# Allegro board LED_FIN.brd (continued)
## Routing (per net, layer and track width the routed paths; a pad name or vN(x,y) marks a point on that pad's centre or on a via; arc(x,y) is an arc through that point) (continued)
  BOTTOM w0.15: v1(119.95,161.1) 119.95,317.5 v1(121.25,318.8) v1(121.25,320.8) v1(121.25,322.8) v1(121.25,324.8) v1(121.25,326.8) v1(121.25,328.8) v1(121.25,330.8) v1(121.25,332.8) v1(121.25,334.8) v1(121.25,336.8) v1(121.25,338.8) v1(121.25,340.8) v1(121.25,342.8) v1(121.25,344.8) v1(121.25,346.8) v1(121.25,348.8) v1(121.25,350.8) v1(121.25,352.8) v1(121.25,354.8) v1(121.25,356.8) v1(121.25,358.8) v1(121.25,360.8) v1(121.25,362.8) v1(121.25,364.8) v1(121.25,366.8) v1(121.25,368.8) v1(121.25,370.8) v1(121.25,372.8) v1(121.25,374.8) v1(121.25,376.8) v1(121.25,378.8) v1(121.25,380.8) v1(121.25,382.8) v1(121.25,384.8) v1(121.25,386.8) v1(121.25,388.8) v1(121.25,390.8) v1(121.25,392.8)
COL_OUT_A79: length 259.4
  TOP w0.15: D1331.1 v1(119.25,380.8) ; D1691.1 v1(119.25,356.8) ; D1271.1 v1(119.25,384.8) ; D1301.1 v1(119.25,382.8) ; D1811.1 v1(119.25,348.8) ; D1361.1 v1(119.25,378.8) ; D2231.1 v1(119.25,320.8) ; D1241.1 v1(119.25,386.8) ; D2141.1 v1(119.25,326.8) ; D1511.1 v1(119.25,368.8) ; D1451.1 v1(119.25,372.8) ; D1631.1 v1(119.25,360.8) ; D2201.1 v1(119.25,322.8) ; D2261.1 v1(119.25,318.8) ; D1721.1 v1(119.25,354.8) ; D1661.1 v1(119.25,358.8) ; D2111.1 v1(119.25,328.8) ; D1421.1 v1(119.25,374.8) ; D1991.1 v1(119.25,336.8) ; D1751.1 v1(119.25,352.8) ; D2021.1 v1(119.25,334.8) ; D2081.1 v1(119.25,330.8) ; D1901.1 v1(119.25,342.8) ; D1151.1 v1(119.25,392.8) ; D1931.1 v1(119.25,340.8) ; D1841.1 v1(119.25,346.8) ; v1(117.95,161.1) R41.1 ; D1211.1 v1(119.25,388.8) ; D2171.1 v1(119.25,324.8) ; D1541.1 v1(119.25,366.8) ; D1961.1 v1(119.25,338.8) ; D1781.1 v1(119.25,350.8) ; D1391.1 v1(119.25,376.8) ; D1601.1 v1(119.25,362.8) ; D2051.1 v1(119.25,332.8) ; D1871.1 v1(119.25,344.8) ; D1481.1 v1(119.25,370.8) ; D1571.1 v1(119.25,364.8) ; D1181.1 v1(119.25,390.8)
  BOTTOM w0.15: v1(119.25,392.8) v1(119.25,390.8) v1(119.25,388.8) v1(119.25,386.8) v1(119.25,384.8) v1(119.25,382.8) v1(119.25,380.8) v1(119.25,378.8) v1(119.25,376.8) v1(119.25,374.8) v1(119.25,372.8) v1(119.25,370.8) v1(119.25,368.8) v1(119.25,366.8) v1(119.25,364.8) v1(119.25,362.8) v1(119.25,360.8) v1(119.25,358.8) v1(119.25,356.8) v1(119.25,354.8) v1(119.25,352.8) v1(119.25,350.8) v1(119.25,348.8) v1(119.25,346.8) v1(119.25,344.8) v1(119.25,342.8) v1(119.25,340.8) v1(119.25,338.8) v1(119.25,336.8) v1(119.25,334.8) v1(119.25,332.8) v1(119.25,330.8) v1(119.25,328.8) v1(119.25,326.8) v1(119.25,324.8) v1(119.25,322.8) v1(119.25,320.8) v1(119.25,318.8) 117.95,317.5 v1(117.95,161.1)
COL_OUT_A80: length 259.4
  TOP w0.15: D1840.1 v1(117.25,346.8) ; D1270.1 v1(117.25,384.8) ; D1150.1 v1(117.25,392.8) ; D1750.1 v1(117.25,352.8) ; D1870.1 v1(117.25,344.8) ; D2260.1 v1(117.25,318.8) ; D1630.1 v1(117.25,360.8) ; D2200.1 v1(117.25,322.8) ; D1810.1 v1(117.25,348.8) ; D1300.1 v1(117.25,382.8) ; D2230.1 v1(117.25,320.8) ; D1360.1 v1(117.25,378.8) ; D1390.1 v1(117.25,376.8) ; D1420.1 v1(117.25,374.8) ; D2170.1 v1(117.25,324.8) ; D1720.1 v1(117.25,354.8) ; D1330.1 v1(117.25,380.8) ; D1930.1 v1(117.25,340.8) ; D2110.1 v1(117.25,328.8) ; D1690.1 v1(117.25,356.8) ; D1570.1 v1(117.25,364.8) ; D1210.1 v1(117.25,388.8) ; D1450.1 v1(117.25,372.8) ; D2140.1 v1(117.25,326.8) ; D2020.1 v1(117.25,334.8) ; D1990.1 v1(117.25,336.8) ; D1240.1 v1(117.25,386.8) ; D1180.1 v1(117.25,390.8) ; D1960.1 v1(117.25,338.8) ; D1660.1 v1(117.25,358.8) ; D1540.1 v1(117.25,366.8) ; D1510.1 v1(117.25,368.8) ; D1480.1 v1(117.25,370.8) ; D2050.1 v1(117.25,332.8) ; D1900.1 v1(117.25,342.8) ; D2080.1 v1(117.25,330.8) ; v1(115.95,161.1) R40.1 ; D1780.1 v1(117.25,350.8) ; D1600.1 v1(117.25,362.8)
  BOTTOM w0.15: v1(117.25,392.8) v1(117.25,390.8) v1(117.25,388.8) v1(117.25,386.8) v1(117.25,384.8) v1(117.25,382.8) v1(117.25,380.8) v1(117.25,378.8) v1(117.25,376.8) v1(117.25,374.8) v1(117.25,372.8) v1(117.25,370.8) v1(117.25,368.8) v1(117.25,366.8) v1(117.25,364.8) v1(117.25,362.8) v1(117.25,360.8) v1(117.25,358.8) v1(117.25,356.8) v1(117.25,354.8) v1(117.25,352.8) v1(117.25,350.8) v1(117.25,348.8) v1(117.25,346.8) v1(117.25,344.8) v1(117.25,342.8) v1(117.25,340.8) v1(117.25,338.8) v1(117.25,336.8) v1(117.25,334.8) v1(117.25,332.8) v1(117.25,330.8) v1(117.25,328.8) v1(117.25,326.8) v1(117.25,324.8) v1(117.25,322.8) v1(117.25,320.8) v1(117.25,318.8) 115.95,317.5 v1(115.95,161.1)
COL_OUT_A81: length 259.4
  TOP w0.15: D1539.1 v1(115.25,366.8) ; D1809.1 v1(115.25,348.8) ; D2199.1 v1(115.25,322.8) ; D1419.1 v1(115.25,374.8) ; D1449.1 v1(115.25,372.8) ; D1389.1 v1(115.25,376.8) ; D1689.1 v1(115.25,356.8) ; D1359.1 v1(115.25,378.8) ; D1959.1 v1(115.25,338.8) ; D1719.1 v1(115.25,354.8) ; D1299.1 v1(115.25,382.8) ; D1749.1 v1(115.25,352.8) ; D1659.1 v1(115.25,358.8) ; D2229.1 v1(115.25,320.8) ; D1779.1 v1(115.25,350.8) ; D1479.1 v1(115.25,370.8) ; D1869.1 v1(115.25,344.8) ; D1149.1 v1(115.25,392.8) ; D1989.1 v1(115.25,336.8) ; D1509.1 v1(115.25,368.8) ; D2109.1 v1(115.25,328.8) ; D1629.1 v1(115.25,360.8) ; D1599.1 v1(115.25,362.8) ; D2139.1 v1(115.25,326.8) ; D2169.1 v1(115.25,324.8) ; D1839.1 v1(115.25,346.8) ; D2019.1 v1(115.25,334.8) ; D1569.1 v1(115.25,364.8) ; D1209.1 v1(115.25,388.8) ; D2049.1 v1(115.25,332.8) ; v1(113.95,161.1) R39.1 ; D1929.1 v1(115.25,340.8) ; D2079.1 v1(115.25,330.8) ; D1269.1 v1(115.25,384.8) ; D1239.1 v1(115.25,386.8) ; D2259.1 v1(115.25,318.8) ; D1899.1 v1(115.25,342.8) ; D1179.1 v1(115.25,390.8) ; D1329.1 v1(115.25,380.8)
  BOTTOM w0.15: v1(113.95,161.1) 113.95,317.5 v1(115.25,318.8) v1(115.25,320.8) v1(115.25,322.8) v1(115.25,324.8) v1(115.25,326.8) v1(115.25,328.8) v1(115.25,330.8) v1(115.25,332.8) v1(115.25,334.8) v1(115.25,336.8) v1(115.25,338.8) v1(115.25,340.8) v1(115.25,342.8) v1(115.25,344.8) v1(115.25,346.8) v1(115.25,348.8) v1(115.25,350.8) v1(115.25,352.8) v1(115.25,354.8) v1(115.25,356.8) v1(115.25,358.8) v1(115.25,360.8) v1(115.25,362.8) v1(115.25,364.8) v1(115.25,366.8) v1(115.25,368.8) v1(115.25,370.8) v1(115.25,372.8) v1(115.25,374.8) v1(115.25,376.8) v1(115.25,378.8) v1(115.25,380.8) v1(115.25,382.8) v1(115.25,384.8) v1(115.25,386.8) v1(115.25,388.8) v1(115.25,390.8) v1(115.25,392.8)
COL_OUT_A82: length 259.4
  TOP w0.15: D1268.1 v1(113.25,384.8) ; D2048.1 v1(113.25,332.8) ; D1688.1 v1(113.25,356.8) ; D2078.1 v1(113.25,330.8) ; D2168.1 v1(113.25,324.8) ; D1568.1 v1(113.25,364.8) ; D2228.1 v1(113.25,320.8) ; v1(111.95,161.1) R38.1 ; D1988.1 v1(113.25,336.8) ; D1508.1 v1(113.25,368.8) ; D1958.1 v1(113.25,338.8) ; D2198.1 v1(113.25,322.8) ; D1778.1 v1(113.25,350.8) ; D1208.1 v1(113.25,388.8) ; D1748.1 v1(113.25,352.8) ; D1178.1 v1(113.25,390.8) ; D1628.1 v1(113.25,360.8) ; D2018.1 v1(113.25,334.8) ; D1538.1 v1(113.25,366.8) ; D1478.1 v1(113.25,370.8) ; D1598.1 v1(113.25,362.8) ; D1328.1 v1(113.25,380.8) ; D1298.1 v1(113.25,382.8) ; D2138.1 v1(113.25,326.8) ; D1148.1 v1(113.25,392.8) ; D1838.1 v1(113.25,346.8) ; D2108.1 v1(113.25,328.8) ; D1238.1 v1(113.25,386.8) ; D1358.1 v1(113.25,378.8) ; D1388.1 v1(113.25,376.8) ; D1448.1 v1(113.25,372.8) ; D1718.1 v1(113.25,354.8) ; D1928.1 v1(113.25,340.8) ; D1868.1 v1(113.25,344.8) ; D1808.1 v1(113.25,348.8) ; D2258.1 v1(113.25,318.8) ; D1658.1 v1(113.25,358.8) ; D1418.1 v1(113.25,374.8) ; D1898.1 v1(113.25,342.8)
  BOTTOM w0.15: v1(113.25,392.8) v1(113.25,390.8) v1(113.25,388.8) v1(113.25,386.8) v1(113.25,384.8) v1(113.25,382.8) v1(113.25,380.8) v1(113.25,378.8) v1(113.25,376.8) v1(113.25,374.8) v1(113.25,372.8) v1(113.25,370.8) v1(113.25,368.8) v1(113.25,366.8) v1(113.25,364.8) v1(113.25,362.8) v1(113.25,360.8) v1(113.25,358.8) v1(113.25,356.8) v1(113.25,354.8) v1(113.25,352.8) v1(113.25,350.8) v1(113.25,348.8) v1(113.25,346.8) v1(113.25,344.8) v1(113.25,342.8) v1(113.25,340.8) v1(113.25,338.8) v1(113.25,336.8) v1(113.25,334.8) v1(113.25,332.8) v1(113.25,330.8) v1(113.25,328.8) v1(113.25,326.8) v1(113.25,324.8) v1(113.25,322.8) v1(113.25,320.8) v1(113.25,318.8) 111.95,317.5 v1(111.95,161.1)
COL_OUT_A83: length 259.4
  TOP w0.15: D1357.1 v1(111.25,378.8) ; v1(109.95,161.1) R37.1 ; D1477.1 v1(111.25,370.8) ; D1237.1 v1(111.25,386.8) ; D1417.1 v1(111.25,374.8) ; D2167.1 v1(111.25,324.8) ; D1717.1 v1(111.25,354.8) ; D1207.1 v1(111.25,388.8) ; D1987.1 v1(111.25,336.8) ; D1687.1 v1(111.25,356.8) ; D1597.1 v1(111.25,362.8) ; D1387.1 v1(111.25,376.8) ; D1837.1 v1(111.25,346.8) ; D1957.1 v1(111.25,338.8) ; D1537.1 v1(111.25,366.8) ; D2017.1 v1(111.25,334.8) ; D2137.1 v1(111.25,326.8) ; D2107.1 v1(111.25,328.8) ; D1327.1 v1(111.25,380.8) ; D1567.1 v1(111.25,364.8) ; D1507.1 v1(111.25,368.8) ; D2257.1 v1(111.25,318.8) ; D2227.1 v1(111.25,320.8) ; D1867.1 v1(111.25,344.8) ; D1897.1 v1(111.25,342.8) ; D1747.1 v1(111.25,352.8) ; D1777.1 v1(111.25,350.8) ; D1807.1 v1(111.25,348.8) ; D2077.1 v1(111.25,330.8) ; D1657.1 v1(111.25,358.8) ; D2047.1 v1(111.25,332.8) ; D1147.1 v1(111.25,392.8) ; D2197.1 v1(111.25,322.8) ; D1927.1 v1(111.25,340.8) ; D1297.1 v1(111.25,382.8) ; D1447.1 v1(111.25,372.8) ; D1267.1 v1(111.25,384.8) ; D1177.1 v1(111.25,390.8) ; D1627.1 v1(111.25,360.8)
  BOTTOM w0.15: v1(111.25,392.8) v1(111.25,390.8) v1(111.25,388.8) v1(111.25,386.8) v1(111.25,384.8) v1(111.25,382.8) v1(111.25,380.8) v1(111.25,378.8) v1(111.25,376.8) v1(111.25,374.8) v1(111.25,372.8) v1(111.25,370.8) v1(111.25,368.8) v1(111.25,366.8) v1(111.25,364.8) v1(111.25,362.8) v1(111.25,360.8) v1(111.25,358.8) v1(111.25,356.8) v1(111.25,354.8) v1(111.25,352.8) v1(111.25,350.8) v1(111.25,348.8) v1(111.25,346.8) v1(111.25,344.8) v1(111.25,342.8) v1(111.25,340.8) v1(111.25,338.8) v1(111.25,336.8) v1(111.25,334.8) v1(111.25,332.8) v1(111.25,330.8) v1(111.25,328.8) v1(111.25,326.8) v1(111.25,324.8) v1(111.25,322.8) v1(111.25,320.8) v1(111.25,318.8) 109.95,317.5 v1(109.95,161.1)
COL_OUT_A84: length 259.4
  TOP w0.15: D1596.1 v1(109.25,362.8) ; D1206.1 v1(109.25,388.8) ; D1506.1 v1(109.25,368.8) ; D2046.1 v1(109.25,332.8) ; D1266.1 v1(109.25,384.8) ; D2136.1 v1(109.25,326.8) ; D2196.1 v1(109.25,322.8) ; D1626.1 v1(109.25,360.8) ; D1986.1 v1(109.25,336.8) ; v1(107.95,161.1) R36.1 ; D1236.1 v1(109.25,386.8) ; D1686.1 v1(109.25,356.8) ; D1386.1 v1(109.25,376.8) ; D1746.1 v1(109.25,352.8) ; D1476.1 v1(109.25,370.8) ; D1296.1 v1(109.25,382.8) ; D1656.1 v1(109.25,358.8) ; D1416.1 v1(109.25,374.8) ; D2256.1 v1(109.25,318.8) ; D1896.1 v1(109.25,342.8) ; D1956.1 v1(109.25,338.8) ; D1146.1 v1(109.25,392.8) ; D1836.1 v1(109.25,346.8) ; D1806.1 v1(109.25,348.8) ; D2226.1 v1(109.25,320.8) ; D1176.1 v1(109.25,390.8) ; D1446.1 v1(109.25,372.8) ; D2106.1 v1(109.25,328.8) ; D1716.1 v1(109.25,354.8) ; D1356.1 v1(109.25,378.8) ; D1776.1 v1(109.25,350.8) ; D1326.1 v1(109.25,380.8) ; D1926.1 v1(109.25,340.8) ; D1566.1 v1(109.25,364.8) ; D2166.1 v1(109.25,324.8) ; D2076.1 v1(109.25,330.8) ; D1536.1 v1(109.25,366.8) ; D2016.1 v1(109.25,334.8) ; D1866.1 v1(109.25,344.8)
  BOTTOM w0.15: v1(107.95,161.1) 107.95,317.5 v1(109.25,318.8) v1(109.25,320.8) v1(109.25,322.8) v1(109.25,324.8) v1(109.25,326.8) v1(109.25,328.8) v1(109.25,330.8) v1(109.25,332.8) v1(109.25,334.8) v1(109.25,336.8) v1(109.25,338.8) v1(109.25,340.8) v1(109.25,342.8) v1(109.25,344.8) v1(109.25,346.8) v1(109.25,348.8) v1(109.25,350.8) v1(109.25,352.8) v1(109.25,354.8) v1(109.25,356.8) v1(109.25,358.8) v1(109.25,360.8) v1(109.25,362.8) v1(109.25,364.8) v1(109.25,366.8) v1(109.25,368.8) v1(109.25,370.8) v1(109.25,372.8) v1(109.25,374.8) v1(109.25,376.8) v1(109.25,378.8) v1(109.25,380.8) v1(109.25,382.8) v1(109.25,384.8) v1(109.25,386.8) v1(109.25,388.8) v1(109.25,390.8) v1(109.25,392.8)
COL_OUT_A85: length 259.4
  TOP w0.15: D2135.1 v1(107.25,326.8) ; D1865.1 v1(107.25,344.8) ; D1475.1 v1(107.25,370.8) ; D1895.1 v1(107.25,342.8) ; D1505.1 v1(107.25,368.8) ; D2045.1 v1(107.25,332.8) ; D1835.1 v1(107.25,346.8) ; v1(105.95,161.1) R35.1 ; D1625.1 v1(107.25,360.8) ; D2165.1 v1(107.25,324.8) ; D1655.1 v1(107.25,358.8) ; D1985.1 v1(107.25,336.8) ; D1565.1 v1(107.25,364.8) ; D2195.1 v1(107.25,322.8) ; D1325.1 v1(107.25,380.8) ; D1805.1 v1(107.25,348.8) ; D1715.1 v1(107.25,354.8) ; D1445.1 v1(107.25,372.8) ; D2225.1 v1(107.25,320.8) ; D1145.1 v1(107.25,392.8) ; D1355.1 v1(107.25,378.8) ; D1415.1 v1(107.25,374.8) ; D1535.1 v1(107.25,366.8) ; D1385.1 v1(107.25,376.8) ; D1295.1 v1(107.25,382.8) ; D1955.1 v1(107.25,338.8) ; D1265.1 v1(107.25,384.8) ; D1685.1 v1(107.25,356.8) ; D2255.1 v1(107.25,318.8) ; D2075.1 v1(107.25,330.8) ; D1595.1 v1(107.25,362.8) ; D1175.1 v1(107.25,390.8) ; D1775.1 v1(107.25,350.8) ; D1205.1 v1(107.25,388.8) ; D2105.1 v1(107.25,328.8) ; D1235.1 v1(107.25,386.8) ; D2015.1 v1(107.25,334.8) ; D1745.1 v1(107.25,352.8) ; D1925.1 v1(107.25,340.8)
  BOTTOM w0.15: v1(105.95,161.1) 105.95,317.5 v1(107.25,318.8) v1(107.25,320.8) v1(107.25,322.8) v1(107.25,324.8) v1(107.25,326.8) v1(107.25,328.8) v1(107.25,330.8) v1(107.25,332.8) v1(107.25,334.8) v1(107.25,336.8) v1(107.25,338.8) v1(107.25,340.8) v1(107.25,342.8) v1(107.25,344.8) v1(107.25,346.8) v1(107.25,348.8) v1(107.25,350.8) v1(107.25,352.8) v1(107.25,354.8) v1(107.25,356.8) v1(107.25,358.8) v1(107.25,360.8) v1(107.25,362.8) v1(107.25,364.8) v1(107.25,366.8) v1(107.25,368.8) v1(107.25,370.8) v1(107.25,372.8) v1(107.25,374.8) v1(107.25,376.8) v1(107.25,378.8) v1(107.25,380.8) v1(107.25,382.8) v1(107.25,384.8) v1(107.25,386.8) v1(107.25,388.8) v1(107.25,390.8) v1(107.25,392.8)
COL_OUT_A86: length 259.4
  TOP w0.15: D1594.1 v1(105.25,362.8) ; D1744.1 v1(105.25,352.8) ; D1924.1 v1(105.25,340.8) ; D2014.1 v1(105.25,334.8) ; v1(103.95,161.1) R34.1 ; D1414.1 v1(105.25,374.8) ; D2104.1 v1(105.25,328.8) ; D1174.1 v1(105.25,390.8) ; D1384.1 v1(105.25,376.8) ; D1774.1 v1(105.25,350.8) ; D2194.1 v1(105.25,322.8) ; D1354.1 v1(105.25,378.8) ; D1294.1 v1(105.25,382.8) ; D2164.1 v1(105.25,324.8) ; D1984.1 v1(105.25,336.8) ; D1864.1 v1(105.25,344.8) ; D2074.1 v1(105.25,330.8) ; D1654.1 v1(105.25,358.8) ; D1144.1 v1(105.25,392.8) ; D1504.1 v1(105.25,368.8) ; D1624.1 v1(105.25,360.8) ; D1804.1 v1(105.25,348.8) ; D2254.1 v1(105.25,318.8) ; D1264.1 v1(105.25,384.8) ; D2044.1 v1(105.25,332.8) ; D1684.1 v1(105.25,356.8) ; D1894.1 v1(105.25,342.8) ; D1234.1 v1(105.25,386.8) ; D2134.1 v1(105.25,326.8) ; D1564.1 v1(105.25,364.8) ; D1834.1 v1(105.25,346.8) ; D1534.1 v1(105.25,366.8) ; D1444.1 v1(105.25,372.8) ; D1324.1 v1(105.25,380.8) ; D1204.1 v1(105.25,388.8) ; D1474.1 v1(105.25,370.8) ; D2224.1 v1(105.25,320.8) ; D1714.1 v1(105.25,354.8) ; D1954.1 v1(105.25,338.8)
  BOTTOM w0.15: v1(103.95,161.1) 103.95,317.5 v1(105.25,318.8) v1(105.25,320.8) v1(105.25,322.8) v1(105.25,324.8) v1(105.25,326.8) v1(105.25,328.8) v1(105.25,330.8) v1(105.25,332.8) v1(105.25,334.8) v1(105.25,336.8) v1(105.25,338.8) v1(105.25,340.8) v1(105.25,342.8) v1(105.25,344.8) v1(105.25,346.8) v1(105.25,348.8) v1(105.25,350.8) v1(105.25,352.8) v1(105.25,354.8) v1(105.25,356.8) v1(105.25,358.8) v1(105.25,360.8) v1(105.25,362.8) v1(105.25,364.8) v1(105.25,366.8) v1(105.25,368.8) v1(105.25,370.8) v1(105.25,372.8) v1(105.25,374.8) v1(105.25,376.8) v1(105.25,378.8) v1(105.25,380.8) v1(105.25,382.8) v1(105.25,384.8) v1(105.25,386.8) v1(105.25,388.8) v1(105.25,390.8) v1(105.25,392.8)
COL_OUT_A87: length 259.4
  TOP w0.15: D1953.1 v1(103.25,338.8) ; D1263.1 v1(103.25,384.8) ; D1443.1 v1(103.25,372.8) ; D1203.1 v1(103.25,388.8) ; D1473.1 v1(103.25,370.8) ; D2013.1 v1(103.25,334.8) ; D1773.1 v1(103.25,350.8) ; D2103.1 v1(103.25,328.8) ; D2073.1 v1(103.25,330.8) ; D1533.1 v1(103.25,366.8) ; D1563.1 v1(103.25,364.8) ; D2253.1 v1(103.25,318.8) ; D1233.1 v1(103.25,386.8) ; D1923.1 v1(103.25,340.8) ; D1713.1 v1(103.25,354.8) ; D2043.1 v1(103.25,332.8) ; D1503.1 v1(103.25,368.8) ; D1623.1 v1(103.25,360.8) ; D1143.1 v1(103.25,392.8) ; D1353.1 v1(103.25,378.8) ; D2163.1 v1(103.25,324.8) ; D1323.1 v1(103.25,380.8) ; D1743.1 v1(103.25,352.8) ; D1293.1 v1(103.25,382.8) ; D2223.1 v1(103.25,320.8) ; D1983.1 v1(103.25,336.8) ; D1413.1 v1(103.25,374.8) ; D1383.1 v1(103.25,376.8) ; D1803.1 v1(103.25,348.8) ; D1683.1 v1(103.25,356.8) ; D1653.1 v1(103.25,358.8) ; D2193.1 v1(103.25,322.8) ; D1893.1 v1(103.25,342.8) ; D1863.1 v1(103.25,344.8) ; v1(101.95,161.1) R33.1 ; D1593.1 v1(103.25,362.8) ; D1173.1 v1(103.25,390.8) ; D1833.1 v1(103.25,346.8) ; D2133.1 v1(103.25,326.8)
  BOTTOM w0.15: v1(101.95,161.1) 101.95,317.5 v1(103.25,318.8) v1(103.25,320.8) v1(103.25,322.8) v1(103.25,324.8) v1(103.25,326.8) v1(103.25,328.8) v1(103.25,330.8) v1(103.25,332.8) v1(103.25,334.8) v1(103.25,336.8) v1(103.25,338.8) v1(103.25,340.8) v1(103.25,342.8) v1(103.25,344.8) v1(103.25,346.8) v1(103.25,348.8) v1(103.25,350.8) v1(103.25,352.8) v1(103.25,354.8) v1(103.25,356.8) v1(103.25,358.8) v1(103.25,360.8) v1(103.25,362.8) v1(103.25,364.8) v1(103.25,366.8) v1(103.25,368.8) v1(103.25,370.8) v1(103.25,372.8) v1(103.25,374.8) v1(103.25,376.8) v1(103.25,378.8) v1(103.25,380.8) v1(103.25,382.8) v1(103.25,384.8) v1(103.25,386.8) v1(103.25,388.8) v1(103.25,390.8) v1(103.25,392.8)
COL_OUT_A88: length 259.4
  TOP w0.15: D1262.1 v1(101.25,384.8) ; D1352.1 v1(101.25,378.8) ; D1682.1 v1(101.25,356.8) ; D1382.1 v1(101.25,376.8) ; D1802.1 v1(101.25,348.8) ; D1322.1 v1(101.25,380.8) ; D1712.1 v1(101.25,354.8) ; D1742.1 v1(101.25,352.8) ; D1652.1 v1(101.25,358.8) ; D1832.1 v1(101.25,346.8) ; D1142.1 v1(101.25,392.8) ; D2222.1 v1(101.25,320.8) ; D1412.1 v1(101.25,374.8) ; D2192.1 v1(101.25,322.8) ; D1622.1 v1(101.25,360.8) ; D1562.1 v1(101.25,364.8) ; D2252.1 v1(101.25,318.8) ; D2042.1 v1(101.25,332.8) ; D1532.1 v1(101.25,366.8) ; D1442.1 v1(101.25,372.8) ; D1502.1 v1(101.25,368.8) ; D2072.1 v1(101.25,330.8) ; v1(99.95,161.1) R32.1 ; D1922.1 v1(101.25,340.8) ; D1862.1 v1(101.25,344.8) ; D1592.1 v1(101.25,362.8) ; D2162.1 v1(101.25,324.8) ; D1292.1 v1(101.25,382.8) ; D2012.1 v1(101.25,334.8) ; D1952.1 v1(101.25,338.8) ; D1172.1 v1(101.25,390.8) ; D2132.1 v1(101.25,326.8) ; D1982.1 v1(101.25,336.8) ; D1472.1 v1(101.25,370.8) ; D1202.1 v1(101.25,388.8) ; D1232.1 v1(101.25,386.8) ; D1892.1 v1(101.25,342.8) ; D2102.1 v1(101.25,328.8) ; D1772.1 v1(101.25,350.8)
  BOTTOM w0.15: v1(99.95,161.1) 99.95,317.5 v1(101.25,318.8) v1(101.25,320.8) v1(101.25,322.8) v1(101.25,324.8) v1(101.25,326.8) v1(101.25,328.8) v1(101.25,330.8) v1(101.25,332.8) v1(101.25,334.8) v1(101.25,336.8) v1(101.25,338.8) v1(101.25,340.8) v1(101.25,342.8) v1(101.25,344.8) v1(101.25,346.8) v1(101.25,348.8) v1(101.25,350.8) v1(101.25,352.8) v1(101.25,354.8) v1(101.25,356.8) v1(101.25,358.8) v1(101.25,360.8) v1(101.25,362.8) v1(101.25,364.8) v1(101.25,366.8) v1(101.25,368.8) v1(101.25,370.8) v1(101.25,372.8) v1(101.25,374.8) v1(101.25,376.8) v1(101.25,378.8) v1(101.25,380.8) v1(101.25,382.8) v1(101.25,384.8) v1(101.25,386.8) v1(101.25,388.8) v1(101.25,390.8) v1(101.25,392.8)
COL_OUT_A89: length 259.4
  TOP w0.15: D1411.1 v1(99.25,374.8) ; D1621.1 v1(99.25,360.8) ; D1861.1 v1(99.25,344.8) ; D1231.1 v1(99.25,386.8) ; D1351.1 v1(99.25,378.8) ; D1801.1 v1(99.25,348.8) ; D1741.1 v1(99.25,352.8) ; D2251.1 v1(99.25,318.8) ; D2041.1 v1(99.25,332.8) ; D1921.1 v1(99.25,340.8) ; D1471.1 v1(99.25,370.8) ; D1291.1 v1(99.25,382.8) ; D1951.1 v1(99.25,338.8) ; D1831.1 v1(99.25,346.8) ; D1981.1 v1(99.25,336.8) ; D1561.1 v1(99.25,364.8) ; D2011.1 v1(99.25,334.8) ; D1321.1 v1(99.25,380.8) ; D1171.1 v1(99.25,390.8) ; D1501.1 v1(99.25,368.8) ; D1681.1 v1(99.25,356.8) ; D1651.1 v1(99.25,358.8) ; v1(97.95,161.1) R31.1 ; D1891.1 v1(99.25,342.8) ; D1381.1 v1(99.25,376.8) ; D2071.1 v1(99.25,330.8) ; D1201.1 v1(99.25,388.8) ; D2101.1 v1(99.25,328.8) ; D1771.1 v1(99.25,350.8) ; D1441.1 v1(99.25,372.8) ; D1141.1 v1(99.25,392.8) ; D2221.1 v1(99.25,320.8) ; D2161.1 v1(99.25,324.8) ; D1711.1 v1(99.25,354.8) ; D1531.1 v1(99.25,366.8) ; D2131.1 v1(99.25,326.8) ; D1591.1 v1(99.25,362.8) ; D1261.1 v1(99.25,384.8) ; D2191.1 v1(99.25,322.8)
  BOTTOM w0.15: v1(99.25,392.8) v1(99.25,390.8) v1(99.25,388.8) v1(99.25,386.8) v1(99.25,384.8) v1(99.25,382.8) v1(99.25,380.8) v1(99.25,378.8) v1(99.25,376.8) v1(99.25,374.8) v1(99.25,372.8) v1(99.25,370.8) v1(99.25,368.8) v1(99.25,366.8) v1(99.25,364.8) v1(99.25,362.8) v1(99.25,360.8) v1(99.25,358.8) v1(99.25,356.8) v1(99.25,354.8) v1(99.25,352.8) v1(99.25,350.8) v1(99.25,348.8) v1(99.25,346.8) v1(99.25,344.8) v1(99.25,342.8) v1(99.25,340.8) v1(99.25,338.8) v1(99.25,336.8) v1(99.25,334.8) v1(99.25,332.8) v1(99.25,330.8) v1(99.25,328.8) v1(99.25,326.8) v1(99.25,324.8) v1(99.25,322.8) v1(99.25,320.8) v1(99.25,318.8) 97.95,317.5 v1(97.95,161.1)
COL_OUT_A90: length 259.4
  TOP w0.15: D870.1 v1(97.25,336.8) ; D210.1 v1(97.25,380.8) ; D570.1 v1(97.25,356.8) ; D1050.1 v1(97.25,324.8) ; v1(95.95,161.1) R30.1 ; D120.1 v1(97.25,386.8) ; D90.1 v1(97.25,388.8) ; D480.1 v1(97.25,362.8) ; D390.1 v1(97.25,368.8) ; D180.1 v1(97.25,382.8) ; D300.1 v1(97.25,374.8) ; D510.1 v1(97.25,360.8) ; D750.1 v1(97.25,344.8) ; D1110.1 v1(97.25,320.8) ; D330.1 v1(97.25,372.8) ; D780.1 v1(97.25,342.8) ; D420.1 v1(97.25,366.8) ; D720.1 v1(97.25,346.8) ; D540.1 v1(97.25,358.8) ; D1020.1 v1(97.25,326.8) ; D630.1 v1(97.25,352.8) ; D1140.1 v1(97.25,318.8) ; D810.1 v1(97.25,340.8) ; D240.1 v1(97.25,378.8) ; D990.1 v1(97.25,328.8) ; D930.1 v1(97.25,332.8) ; D150.1 v1(97.25,384.8) ; D600.1 v1(97.25,354.8) ; D840.1 v1(97.25,338.8) ; D1080.1 v1(97.25,322.8) ; D30.1 v1(97.25,392.8) ; D900.1 v1(97.25,334.8) ; D960.1 v1(97.25,330.8) ; D360.1 v1(97.25,370.8) ; D60.1 v1(97.25,390.8) ; D690.1 v1(97.25,348.8) ; D660.1 v1(97.25,350.8) ; D270.1 v1(97.25,376.8) ; D450.1 v1(97.25,364.8)
  BOTTOM w0.15: v1(95.95,161.1) 95.95,317.5 v1(97.25,318.8) v1(97.25,320.8) v1(97.25,322.8) v1(97.25,324.8) v1(97.25,326.8) v1(97.25,328.8) v1(97.25,330.8) v1(97.25,332.8) v1(97.25,334.8) v1(97.25,336.8) v1(97.25,338.8) v1(97.25,340.8) v1(97.25,342.8) v1(97.25,344.8) v1(97.25,346.8) v1(97.25,348.8) v1(97.25,350.8) v1(97.25,352.8) v1(97.25,354.8) v1(97.25,356.8) v1(97.25,358.8) v1(97.25,360.8) v1(97.25,362.8) v1(97.25,364.8) v1(97.25,366.8) v1(97.25,368.8) v1(97.25,370.8) v1(97.25,372.8) v1(97.25,374.8) v1(97.25,376.8) v1(97.25,378.8) v1(97.25,380.8) v1(97.25,382.8) v1(97.25,384.8) v1(97.25,386.8) v1(97.25,388.8) v1(97.25,390.8) v1(97.25,392.8)
COL_OUT_A91: length 259.4
  TOP w0.15: D1139.1 v1(95.25,318.8) ; D959.1 v1(95.25,330.8) ; D479.1 v1(95.25,362.8) ; D29.1 v1(95.25,392.8) ; D1109.1 v1(95.25,320.8) ; D59.1 v1(95.25,390.8) ; D779.1 v1(95.25,342.8) ; D599.1 v1(95.25,354.8) ; D1079.1 v1(95.25,322.8) ; D149.1 v1(95.25,384.8) ; D509.1 v1(95.25,360.8) ; v1(93.95,161.1) R29.1 ; D719.1 v1(95.25,346.8) ; D749.1 v1(95.25,344.8) ; D239.1 v1(95.25,378.8) ; D1019.1 v1(95.25,326.8) ; D269.1 v1(95.25,376.8) ; D359.1 v1(95.25,370.8) ; D689.1 v1(95.25,348.8) ; D839.1 v1(95.25,338.8) ; D629.1 v1(95.25,352.8) ; D989.1 v1(95.25,328.8) ; D809.1 v1(95.25,340.8) ; D299.1 v1(95.25,374.8) ; D329.1 v1(95.25,372.8) ; D209.1 v1(95.25,380.8) ; D869.1 v1(95.25,336.8) ; D389.1 v1(95.25,368.8) ; D449.1 v1(95.25,364.8) ; D1049.1 v1(95.25,324.8) ; D539.1 v1(95.25,358.8) ; D89.1 v1(95.25,388.8) ; D659.1 v1(95.25,350.8) ; D419.1 v1(95.25,366.8) ; D899.1 v1(95.25,334.8) ; D929.1 v1(95.25,332.8) ; D179.1 v1(95.25,382.8) ; D119.1 v1(95.25,386.8) ; D569.1 v1(95.25,356.8)
  BOTTOM w0.15: v1(95.25,392.8) v1(95.25,390.8) v1(95.25,388.8) v1(95.25,386.8) v1(95.25,384.8) v1(95.25,382.8) v1(95.25,380.8) v1(95.25,378.8) v1(95.25,376.8) v1(95.25,374.8) v1(95.25,372.8) v1(95.25,370.8) v1(95.25,368.8) v1(95.25,366.8) v1(95.25,364.8) v1(95.25,362.8) v1(95.25,360.8) v1(95.25,358.8) v1(95.25,356.8) v1(95.25,354.8) v1(95.25,352.8) v1(95.25,350.8) v1(95.25,348.8) v1(95.25,346.8) v1(95.25,344.8) v1(95.25,342.8) v1(95.25,340.8) v1(95.25,338.8) v1(95.25,336.8) v1(95.25,334.8) v1(95.25,332.8) v1(95.25,330.8) v1(95.25,328.8) v1(95.25,326.8) v1(95.25,324.8) v1(95.25,322.8) v1(95.25,320.8) v1(95.25,318.8) 93.95,317.5 v1(93.95,161.1)
COL_OUT_A92: length 259.4
  TOP w0.15: D1108.1 v1(93.25,320.8) ; D808.1 v1(93.25,340.8) ; D538.1 v1(93.25,358.8) ; D1138.1 v1(93.25,318.8) ; D448.1 v1(93.25,364.8) ; D778.1 v1(93.25,342.8) ; D898.1 v1(93.25,334.8) ; v1(91.95,161.1) R28.1 ; D658.1 v1(93.25,350.8) ; D238.1 v1(93.25,378.8) ; D718.1 v1(93.25,346.8) ; D598.1 v1(93.25,354.8) ; D1048.1 v1(93.25,324.8) ; D358.1 v1(93.25,370.8) ; D88.1 v1(93.25,388.8) ; D508.1 v1(93.25,360.8) ; D568.1 v1(93.25,356.8) ; D868.1 v1(93.25,336.8) ; D28.1 v1(93.25,392.8) ; D298.1 v1(93.25,374.8) ; D118.1 v1(93.25,386.8) ; D58.1 v1(93.25,390.8) ; D478.1 v1(93.25,362.8) ; D418.1 v1(93.25,366.8) ; D388.1 v1(93.25,368.8) ; D988.1 v1(93.25,328.8) ; D688.1 v1(93.25,348.8) ; D328.1 v1(93.25,372.8) ; D958.1 v1(93.25,330.8) ; D1078.1 v1(93.25,322.8) ; D838.1 v1(93.25,338.8) ; D748.1 v1(93.25,344.8) ; D268.1 v1(93.25,376.8) ; D208.1 v1(93.25,380.8) ; D628.1 v1(93.25,352.8) ; D1018.1 v1(93.25,326.8) ; D148.1 v1(93.25,384.8) ; D178.1 v1(93.25,382.8) ; D928.1 v1(93.25,332.8)
  BOTTOM w0.15: v1(93.25,392.8) v1(93.25,390.8) v1(93.25,388.8) v1(93.25,386.8) v1(93.25,384.8) v1(93.25,382.8) v1(93.25,380.8) v1(93.25,378.8) v1(93.25,376.8) v1(93.25,374.8) v1(93.25,372.8) v1(93.25,370.8) v1(93.25,368.8) v1(93.25,366.8) v1(93.25,364.8) v1(93.25,362.8) v1(93.25,360.8) v1(93.25,358.8) v1(93.25,356.8) v1(93.25,354.8) v1(93.25,352.8) v1(93.25,350.8) v1(93.25,348.8) v1(93.25,346.8) v1(93.25,344.8) v1(93.25,342.8) v1(93.25,340.8) v1(93.25,338.8) v1(93.25,336.8) v1(93.25,334.8) v1(93.25,332.8) v1(93.25,330.8) v1(93.25,328.8) v1(93.25,326.8) v1(93.25,324.8) v1(93.25,322.8) v1(93.25,320.8) v1(93.25,318.8) 91.95,317.5 v1(91.95,161.1)
